# KiCad board Preamp_1.kicad_pcb
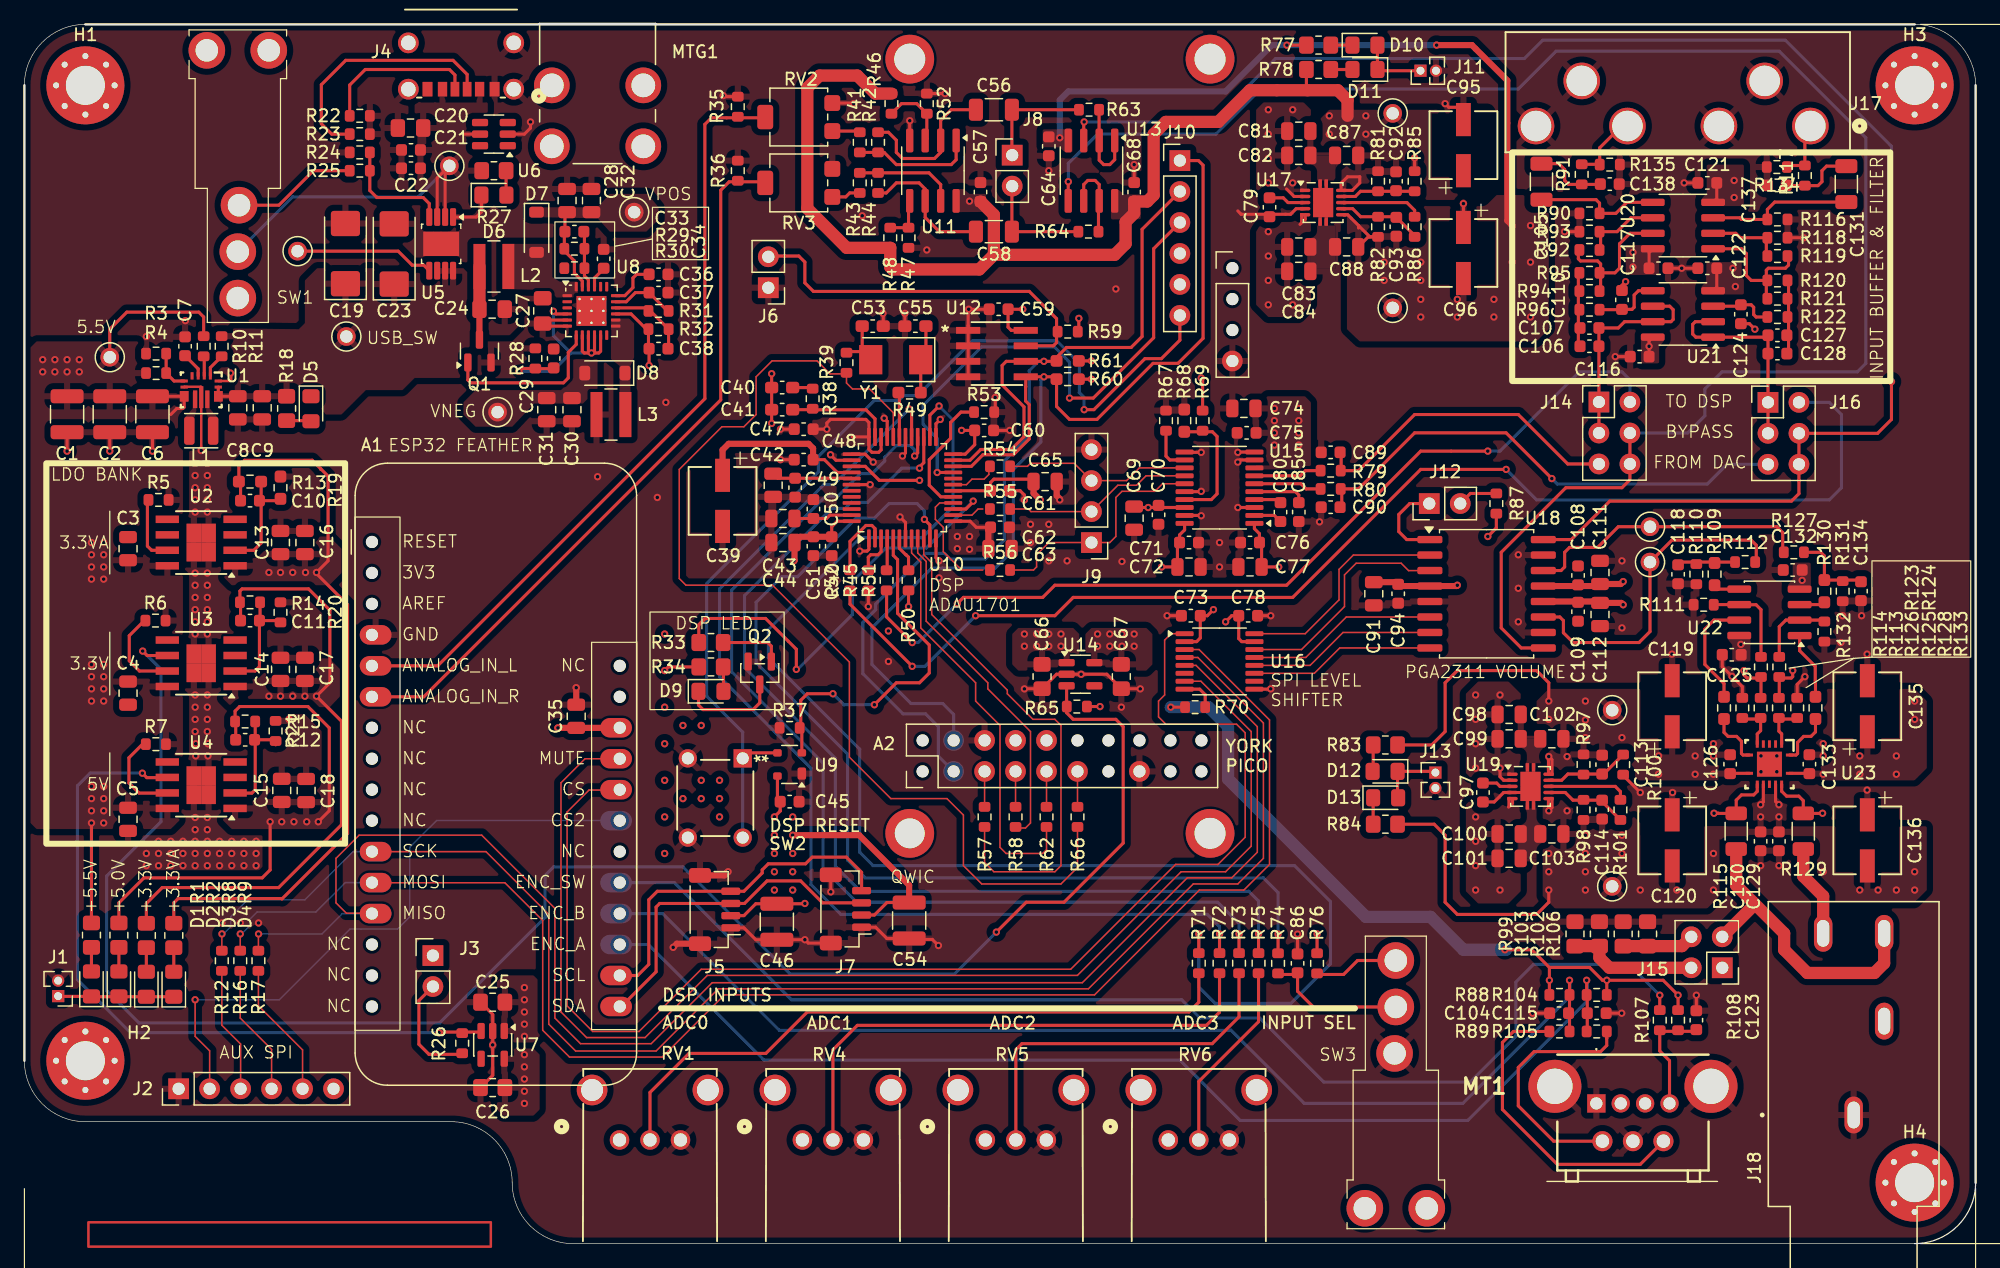
[diagram p0: board, top side]
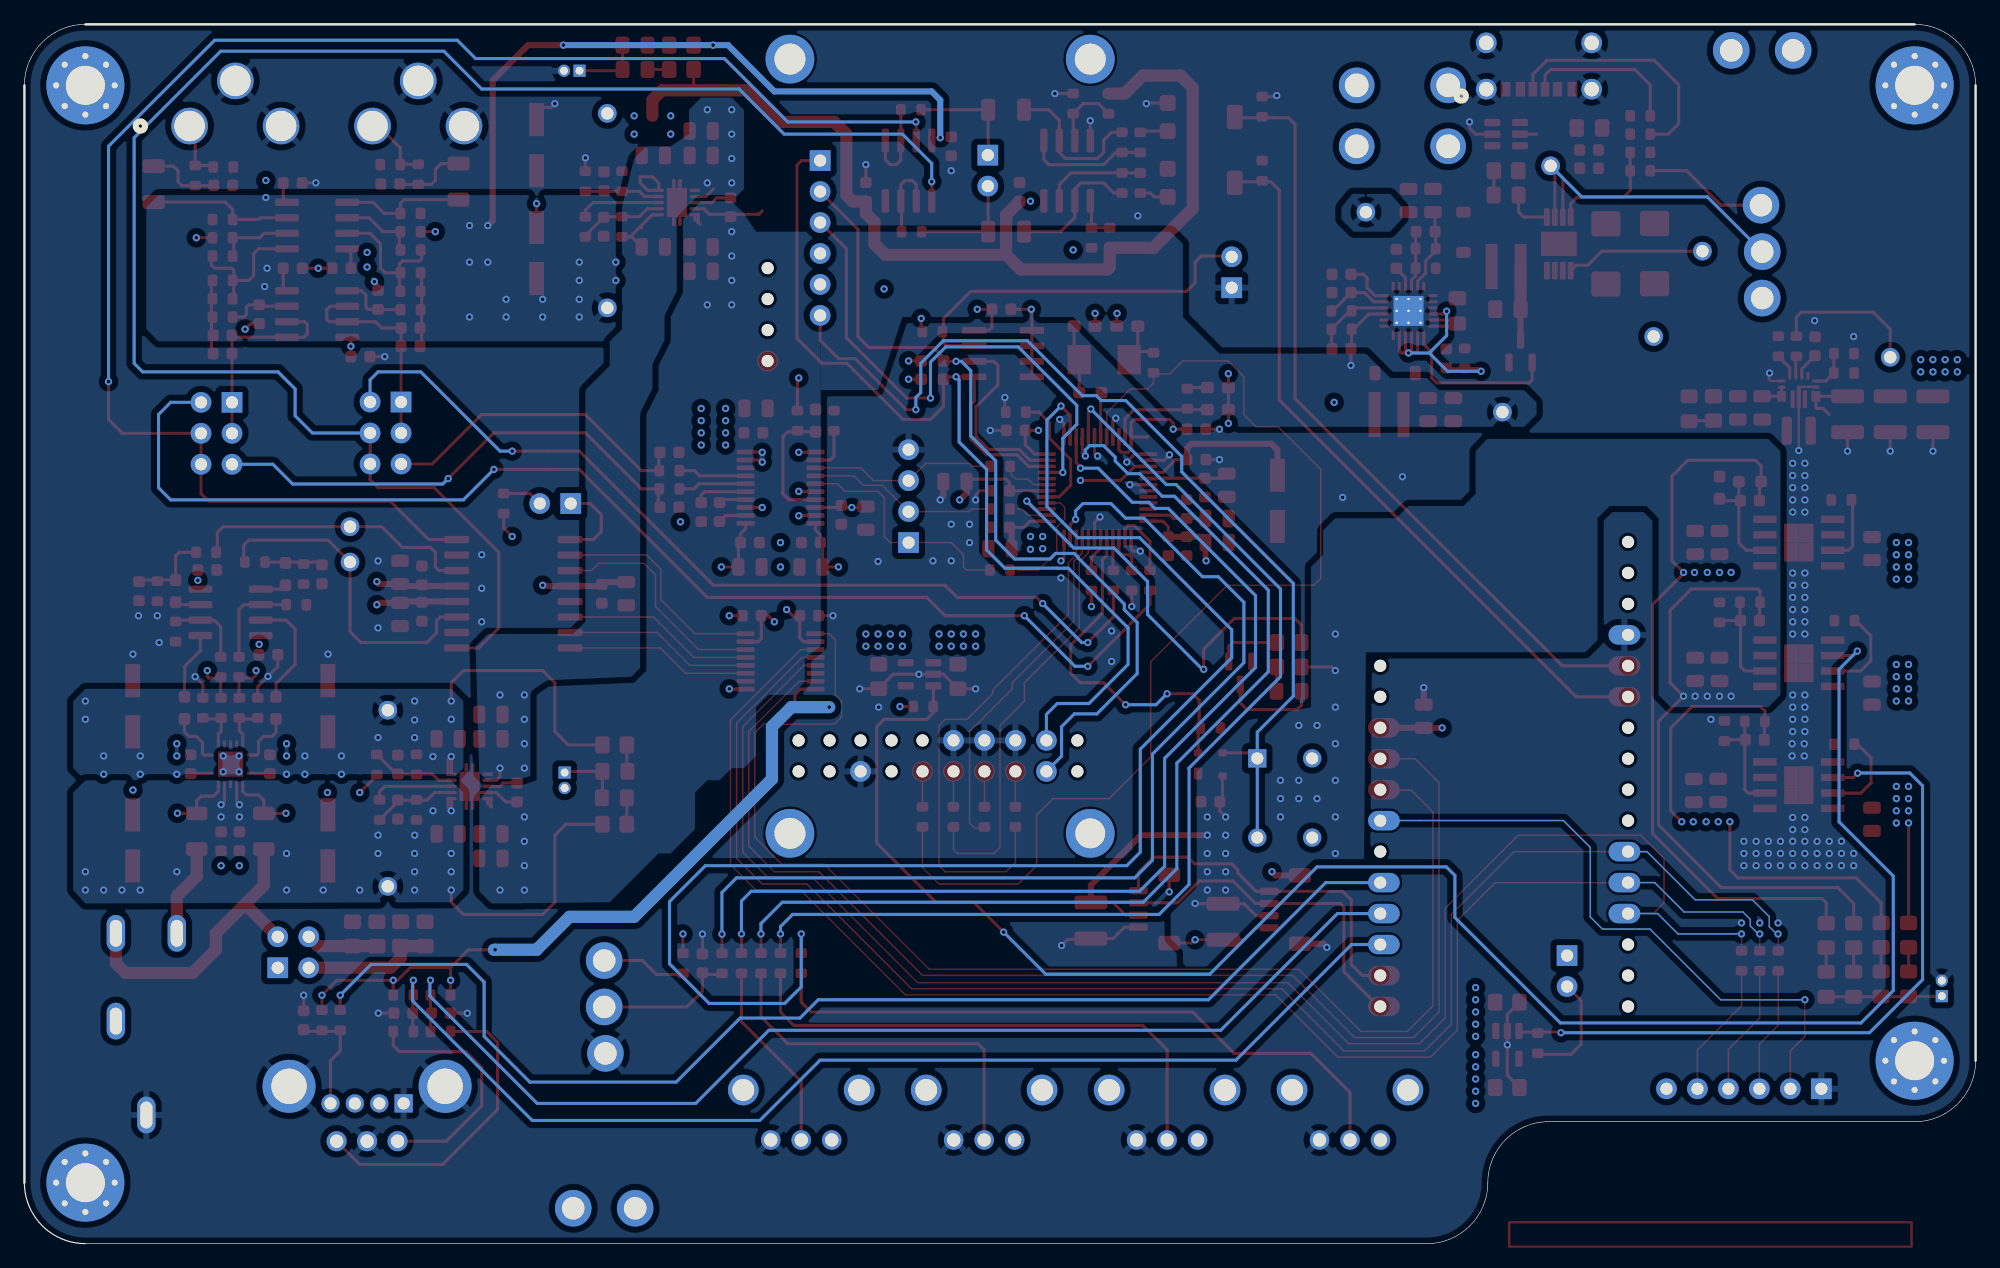
[diagram p1: board, bottom side, seen from below]

Outline 160 x 100 mm; copper layers: Top, In1.Cu, In2.Cu, Bottom. Coordinates in mm from the lower left corner of the outline.
Outline path: 0,95 0,15 arc(1.46,11.46) 5,10 35,10 arc(38.54,8.54) 40,5 arc(41.46,1.46) 45,0 155,0 arc(158.54,1.46) 160,5 160,95 arc(158.54,98.54) 155,100 5,100 arc(1.46,98.54) 0,95
Stack: Top 0.035mm / dielectric 0.1mm FR4 er 4.5 / In1.Cu 0.035mm / dielectric 1.24mm FR4 er 4.5 / In2.Cu 0.035mm / dielectric 0.1mm FR4 er 4.5 / Bottom 0.035mm

## Placement (name value [footprint] x y rotation side)
A1  Adafruit_Feather_Generic  [Adafruit_Feather2]  28.5 57.55 0 top  (not fitted)
A2  York_USB-to-I2S  [York_Pico_USB-to-I2S]  69.22 99.69 0 top  (not fitted)
C1  22u  [C_1210_3225Metric]  3.5 68.03 270 top
C2  22u  [C_1210_3225Metric]  7 68.03 270 top
C3  10u  [C_0805_2012Metric]  8.5 57 90 top
C4  10u  [C_0805_2012Metric]  8.5 45.15 270 top
C5  10u  [C_0805_2012Metric]  8.5 34.8 270 top
C6  22u  [C_1210_3225Metric]  10.5 68.03 270 top
C7  0.1u  [C_0603_1608Metric]  13.17 73.6 90 top
C8  10u  [C_0805_2012Metric]  17.5 68.55 270 top
C9  10u  [C_0805_2012Metric]  19.5 68.55 270 top
C10  10n  [C_0603_1608Metric]  18.5 60.94 0 top  (not fitted)
C11  10n  [C_0603_1608Metric]  18.5 51.1 0 top  (not fitted)
C12  10n  [C_0603_1608Metric]  18.1 41.33 0 top  (not fitted)
C13  10u  [C_0805_2012Metric]  21 57.5 90 top
C14  10u  [C_0805_2012Metric]  21 47.1 90 top
C15  10u  [C_0805_2012Metric]  21.1 37.17 90 top
C16  10u  [C_0805_2012Metric]  23 57.5 90 top
C17  10u  [C_0805_2012Metric]  23 47.1 90 top
C18  10u  [C_0805_2012Metric]  23.1 37.16 90 top
C19  68u  [CP_EIA-6032-28_Kemet-C]  26.33 81.2 90 top
C20  4.7u  [C_0805_2012Metric_Pad1.18x1.45mm_HandSolder]  31.66 91.5 180 top
C21  10n  [C_0603_1608Metric]  31.7 89.7 180 top
C22  0.1u  [C_0603_1608Metric]  31.7 88.2 180 top
C23  68u  [CP_EIA-6032-28_Kemet-C]  30.33 81.17 90 top
C24  4.7u  [C_0805_2012Metric_Pad1.18x1.45mm_HandSolder]  38.35 76.64 0 top
C25  1u  [C_0805_2012Metric_HandSolder]  38.4 19.8 0 top
C26  1u  [C_0805_2012Metric_HandSolder]  38.4 12.8 0 top
C27  4.7u  [C_0805_2012Metric_Pad1.18x1.45mm_HandSolder]  42.5 76.5 90 top
C28  10u  [C_0805_2012Metric]  44.5 85.55 90 top
C29  0.1u  [C_0603_1608Metric]  43.4 72.6 90 top
C30  10u  [C_0805_2012Metric]  44.9 68.4 270 top
C31  10u  [C_0805_2012Metric]  42.83 68.4 270 top
C32  10u  [C_0805_2012Metric]  46.5 85.55 90 top
C33  6.8p  [C_0603_1608Metric]  45.1 83 0 top
C34  10n  [C_0603_1608Metric]  47.5 80.78 90 top
C35  10u  [C_0805_2012Metric]  45.25 43.25 90 top
C36  4.7n  [C_0603_1608Metric]  52 79.5 0 top
C37  220n  [C_0603_1608Metric]  52 78 0 top
C38  7.5p  [C_0603_1608Metric]  52 73.4 180 top
C39  47u  [CAP_UCD_5X5P8_NCH]  57.25 60.92 270 top
C40  56n  [C_0603_1608Metric_Pad1.08x0.95mm_HandSolder]  62.14 70.21 0 top
C41  3.3n  [C_0603_1608Metric_Pad1.08x0.95mm_HandSolder]  62.14 68.4 0 top
C42  10u  [C_0805_2012Metric]  61.4 62.2 270 top
C43  10u  [C_0805_2012Metric]  62.2 59.47 180 top
C44  10u  [C_0805_2012Metric]  62.2 57.5 180 top
C45  0.1u  [C_0603_1608Metric]  62.75 36.25 0 top
C46  22u  [C_1210_3225Metric]  61.7 26.4 270 top
C47  0.1u  [C_0603_1608Metric]  63.9 66.8 180 top
C48  0.1u  [C_0603_1608Metric]  63.9 64.3 180 top
C49  0.1u  [C_0603_1608Metric]  63.2 62 270 top
C50  0.1u  [C_0603_1608Metric]  64.7 60.25 90 top
C51  0.1u  [C_0603_1608Metric]  64.7 57.2 270 top
C52  0.1u  [C_0603_1608Metric]  66.2 57.2 270 top
C53  24p  [C_0603_1608Metric_Pad1.08x0.95mm_HandSolder]  69.56 75.25 0 top  (not fitted)
C54  22u  [C_1210_3225Metric]  72.55 26.5 270 top
C55  24p  [C_0603_1608Metric_Pad1.08x0.95mm_HandSolder]  73.06 75.25 180 top  (not fitted)
C56  0.22u  [C_1206_3216Metric]  79.5 93 180 top
C57  0.1u  [C_0603_1608Metric]  78.4 86.25 90 top
C58  0.22u  [C_1206_3216Metric]  79.5 83 180 top
C59  0.1u  [C_0603_1608Metric]  79.89 76.63 180 top
C60  0.1u  [C_0603_1608Metric]  78.7 66.7 0 top
C61  0.1u  [C_0603_1608Metric]  80 61.75 0 top
C62  0.1u  [C_0603_1608Metric]  80 58.75 0 top
C63  10u  [C_0805_2012Metric]  80 57 0 top
C64  0.1u  [C_0603_1608Metric]  84 90 90 top
C65  10u  [C_0805_2012Metric]  83.7 62.5 0 top
C66  1u  [C_0805_2012Metric_HandSolder]  83.45 46.51 90 top
C67  1u  [C_0805_2012Metric_HandSolder]  89.95 46.51 90 top
C68  0.1u  [C_0603_1608Metric]  91 86.25 90 top
C69  10u  [C_0805_2012Metric]  91 59.5 270 top
C70  0.1u  [C_0603_1608Metric]  93 59.78 270 top
C71  0.1u  [C_0603_1608Metric]  95.5 57.5 0 top
C72  10u  [C_0805_2012Metric]  95.5 55.5 0 top
C73  0.1u  [C_0603_1608Metric]  95.65 51.5 180 top
C74  10u  [C_0805_2012Metric]  100 68.5 180 top
C75  0.1u  [C_0603_1608Metric]  100.22 66.5 180 top
C76  0.1u  [C_0603_1608Metric]  100.5 57.5 180 top
C77  10u  [C_0805_2012Metric]  100.5 55.5 180 top
C78  0.1u  [C_0603_1608Metric]  100.35 51.5 0 top
C79  10n  [C_0603_1608Metric]  102.1 85 270 top
C80  2.2u  [C_0603_1608Metric]  103 60 90 top
C81  10u  [C_0805_2012Metric]  104.5 91.25 0 top
C82  10u  [C_0805_2012Metric]  104.5 89.25 0 top
C83  10u  [C_0805_2012Metric]  104.5 81.75 180 top
C84  10u  [C_0805_2012Metric]  104.5 79.75 180 top
C85  2.2u  [C_0603_1608Metric]  104.5 60 270 top
C86  0.1u  [C_0603_1608Metric]  104.4 22.99 90 top
C87  10u  [C_0805_2012Metric]  108.43 89.25 180 top
C88  10u  [C_0805_2012Metric]  108.43 81.75 0 top
C89  2.2n  [C_0603_1608Metric]  107.11 64.9 180 top
C90  2.2n  [C_0603_1608Metric]  107.11 60.4 180 top
C91  10u  [C_0805_2012Metric]  110.65 53.3 270 top
C92  10n  [C_0603_1608Metric]  112.47 87.13 270 top
C93  10n  [C_0603_1608Metric]  112.5 83.4 270 top
C94  0.1u  [C_0603_1608Metric]  112.65 53.3 270 top
C95  47u  [CAP_UCD_5X5P8_NCH]  118 90.1 90 top
C96  47u  [CAP_UCD_5X5P8_NCH]  118 81.25 270 top
C97  10n  [C_0603_1608Metric]  119.6 37 270 top
C98  10u  [C_0805_2012Metric]  121.75 43.4 0 top
C99  10u  [C_0805_2012Metric]  121.75 41.4 0 top
C100  10u  [C_0805_2012Metric]  121.75 33.6 180 top
C101  10u  [C_0805_2012Metric]  121.75 31.6 180 top
C102  10u  [C_0805_2012Metric]  125.25 41.4 180 top
C103  10u  [C_0805_2012Metric]  125.25 33.6 0 top
C104  0.1u  [C_0603_1608Metric]  125.84 18.9 180 top
C105  0.22u  [C_1206_3216Metric]  124.4 87.1 270 top
C106  1.2n  [C_0603_1608Metric]  128.34 73.6 0 top
C107  1.2n  [C_0603_1608Metric]  128.34 75.1 0 top
C108  0.1u  [C_0603_1608Metric]  127.4 54.81 270 top
C109  0.1u  [C_0603_1608Metric]  127.4 51.83 270 top
C110  1.2n  [C_0603_1608Metric]  131 77.4 90 top
C111  10u  [C_0805_2012Metric]  129.2 55.05 270 top
C112  10u  [C_0805_2012Metric]  129.2 51.6 270 top
C113  10n  [C_0603_1608Metric]  129.38 39.29 270 top
C114  10n  [C_0603_1608Metric]  129.38 35.59 270 top
C115  0.1u  [C_0603_1608Metric]  128.93 18.9 0 top
C116  0.1u  [C_0603_1608Metric]  132.45 72.75 180 top
C117  0.1u  [C_0603_1608Metric]  134 80 0 top
C118  100p  [C_0603_1608Metric]  135.6 54.9 270 top
C119  47u  [CAP_UCD_5X5P8_NCH]  135.12 44.07 90 top
C120  47u  [CAP_UCD_5X5P8_NCH]  135.12 33.07 270 top
C121  0.1u  [C_0603_1608Metric]  138 87 0 top
C122  0.1u  [C_0603_1608Metric]  138 80 0 top
C123  0.1u  [C_0603_1608Metric]  137.1 18.33 90 top
C124  1.2n  [C_0603_1608Metric]  140.75 76.22 270 top
C125  0.1u  [C_0603_1608Metric]  140 48.3 180 top
C126  0.1u  [C_0603_1608Metric]  139.87 39.32 90 top
C127  1.2n  [C_0603_1608Metric]  143.75 74.5 180 top
C128  1.2n  [C_0603_1608Metric]  143.75 73 180 top
C129  0.1u  [C_0603_1608Metric]  143.87 33 90 top
C130  0.1u  [C_0603_1608Metric]  142.37 33 90 top
C131  0.22u  [C_1206_3216Metric]  149.4 86.9 270 top
C132  0.1u  [C_0603_1608Metric]  145 55.25 0 top
C133  0.1u  [C_0603_1608Metric]  146.37 39.32 90 top
C134  100p  [C_0603_1608Metric]  150.6 53.51 270 top
C135  47u  [CAP_UCD_5X5P8_NCH]  151.12 44.07 90 top
C136  47u  [CAP_UCD_5X5P8_NCH]  151.12 33.07 270 top
C137  100p  [C_0603_1608Metric]  143.7 86.8 180 top
C138  100p  [C_0603_1608Metric]  130 86.9 0 top
D1  LED  [LED_0805_2012Metric_Pad1.15x1.40mm_HandSolder]  5.5 21.3 90 top
D2  LED  [LED_0805_2012Metric_Pad1.15x1.40mm_HandSolder]  7.75 21.3 90 top
D3  LED  [LED_0805_2012Metric_Pad1.15x1.40mm_HandSolder]  10 21.28 90 top
D4  LED  [LED_0805_2012Metric_Pad1.15x1.40mm_HandSolder]  12.25 21.28 90 top
D5  LED  [LED_0805_2012Metric_Pad1.15x1.40mm_HandSolder]  23.5 68.47 270 top
D6  LED  [LED_0805_2012Metric_Pad1.15x1.40mm_HandSolder]  38.5 86 0 top
D7  ~  [D_SOD-123]  42 82.95 270 top
D8  ~  [D_SOD-123]  47.6 71.4 180 top
D9  LED  [LED_0805_2012Metric_Pad1.15x1.40mm_HandSolder]  56.3 45.3 0 top
D10  LED  [LED_0805_2012Metric_Pad1.15x1.40mm_HandSolder]  109.93 98.3 0 top
D11  LED  [LED_0805_2012Metric_Pad1.15x1.40mm_HandSolder]  109.93 96.3 180 top
D12  LED  [LED_0805_2012Metric_Pad1.15x1.40mm_HandSolder]  111.58 38.73 180 top
D13  LED  [LED_0805_2012Metric_Pad1.15x1.40mm_HandSolder]  111.62 36.57 0 top
H1  MountingHole  [MountingHole_3.2mm_M3_Pad_Via]  5 95 0 top
H2  MountingHole  [MountingHole_3.2mm_M3_Pad_Via]  5 15 0 top
H3  MountingHole  [MountingHole_3.2mm_M3_Pad_Via]  155 95 0 top
H4  MountingHole  [MountingHole_3.2mm_M3_Pad_Via]  155 5 0 top
J1  Conn_02x01  [PinHeader_1x02_P1.27mm_Vertical#2]  2.77 20.3 180 top
J2  Conn_01x06  [PinHeader_1x06_P2.54mm_Vertical]  12.65 12.7 90 top  (not fitted)
J3  Conn_02x01  [PinHeader_1x02_P2.54mm_Vertical#2]  33.5 23.62 0 top
J4  USB4125-GF-A-0190  [CONN6_125-GF-A-0190_GCT]  38.56 94.69 180 top
J5  QWIC  [JST_SH_BM04B-SRSS-TB_1x04-1MP_P1.00mm_Vertical]  56.6 27.4 90 top
J6  Conn_02x01  [PinHeader_1x02_P2.54mm_Vertical]  61 78.4 180 top
J7  QWIC  [JST_SH_BM04B-SRSS-TB_1x04-1MP_P1.00mm_Vertical]  67.33 27.45 90 top
J8  Conn_02x01  [PinHeader_1x02_P2.54mm_Vertical]  81 89.28 0 top  (not fitted)
J9  Conn_01x04  [PinHeader_1x04_P2.54mm_Vertical]  87.5 57.5 180 top  (not fitted)
J10  Conn_01x06  [PinHeader_1x06_P2.54mm_Vertical]  94.75 88.83 0 top  (not fitted)
J11  Conn_02x01  [PinHeader_1x02_P1.27mm_Vertical]  114.48 96.2 90 top
J12  Conn_02x01  [PinHeader_1x02_P2.54mm_Vertical]  115.2 60.7 90 top
J13  Conn_02x01  [PinHeader_1x02_P1.27mm_Vertical#2]  115.7 38.64 0 top
J14  Conn_02x03_Odd_Even  [PinHeader_2x03_P2.54mm_Vertical]  129.11 69.03 0 top
J15  Conn_02x02_Odd_Even  [PinHeader_2x02_P2.54mm_Vertical]  139.22 22.62 180 top
J16  Conn_02x03_Odd_Even  [PinHeader_2x03_P2.54mm_Vertical]  142.97 69 0 top
J17  PJRAN2X1U01AUX  [CONN6_984x394_SWC_BS]  146.45 91.66 180 top
J18  SJ-63063B  [CUI_SJ-63063B]  150 10.55 90 top
L1  1u  [L_Wuerth_MAPI-2512]  14.5 66.67 180 top
L2  4.7u  [L_Wuerth_MAPI-4020]  38.5 80.14 0 top
L3  4.7u  [L_Wuerth_MAPI-4020]  48.1 68 180 top
MT1  PEL12D-2225S-S1024  [PEL12D2225SS1024]  131.84 12.9 0 top
MTG1  7695  [KEYSTONE_7695]  47 92.5 180 top
Q1  Si2371EDS  [SOT-23]  37.31 73.2 90 top
Q2  MMBT2222A  [SOT-23]  60.3 46.8 270 top
R1  270  [R_0805_2012Metric_HandSolder]  5.5 25.3 270 top
R2  270  [R_0805_2012Metric_HandSolder]  7.75 25.3 270 top
R3  51k  [R_0603_1608Metric]  10.8 73 180 top
R4  300k  [R_0603_1608Metric]  10.8 71.4 0 top
R5  10k  [R_0603_1608Metric]  11 61 0 top
R6  10k  [R_0603_1608Metric]  10.75 51.1 0 top
R7  10k  [R_0603_1608Metric]  10.78 40.97 0 top
R8  100  [R_0805_2012Metric_HandSolder]  10 25.28 270 top
R9  100  [R_0805_2012Metric_HandSolder]  12.25 25.28 270 top
R10  10k  [R_0603_1608Metric]  14.7 73.6 270 top
R11  10k  [R_0603_1608Metric]  16.18 73.6 270 top
R12  0  [R_0603_1608Metric]  16.19 23.2 90 top
R13  1M  [R_0603_1608Metric_Pad0.98x0.95mm_HandSolder]  18.5 62.5 180 top
R14  1M  [R_0603_1608Metric]  18.5 52.6 180 top
R15  1M  [R_0603_1608Metric]  18.1 42.83 180 top
R16  0  [R_0603_1608Metric]  17.7 23.2 90 top
R17  0  [R_0603_1608Metric]  19.19 23.2 90 top
R18  270  [R_0805_2012Metric_HandSolder]  21.5 68.5 270 top
R19  245k  [R_0603_1608Metric_Pad0.98x0.95mm_HandSolder]  21 62 270 top
R20  245k  [R_0603_1608Metric]  21 51.78 270 top
R21  150k  [R_0603_1608Metric]  20.6 42.05 270 top
R22  5.1K  [R_0603_1608Metric]  27.5 92.5 0 top
R23  5.1K  [R_0603_1608Metric]  27.5 91 0 top
R24  10k  [R_0603_1608Metric]  27.5 89.5 180 top
R25  10k  [R_0603_1608Metric]  27.5 88 0 top
R26  10k  [R_0603_1608Metric]  35.9 16.44 270 top
R27  270  [R_0805_2012Metric_HandSolder]  38.5 88 0 top
R28  100  [R_0603_1608Metric]  41.9 72.6 270 top
R29  1M  [R_0603_1608Metric]  45.1 81.6 180 top
R30  110k  [R_0603_1608Metric]  45.1 80 0 top
R31  100k  [R_0603_1608Metric]  52 76.5 0 top
R32  1M  [R_0603_1608Metric]  52 75 0 top
R33  2.2k  [R_0805_2012Metric_Pad1.20x1.40mm_HandSolder]  56.3 49.3 0 top
R34  100  [R_0805_2012Metric_HandSolder]  56.3 47.3 0 top
R35  100k  [R_0603_1608Metric]  58.5 93.25 270 top
R36  100k  [R_0603_1608Metric]  58.5 88 270 top
R37  100k  [R_0603_1608Metric]  62.75 42.3 0 top
R38  470  [R_0603_1608Metric]  64.64 69.3 270 top
R39  0  [R_0603_1608Metric]  67.41 72.25 270 top  (not fitted)
R40  18k  [R_0603_1608Metric]  67.7 54.4 90 top
R41  820  [R_0603_1608Metric]  68.5 90.33 270 top
R42  56k  [R_0603_1608Metric]  70 90.33 90 top
R43  820  [R_0603_1608Metric]  68.5 87 90 top
R44  56k  [R_0603_1608Metric]  70 87 270 top
R45  18k  [R_0603_1608Metric]  69.2 54.4 90 top
R46  10k  [R_0603_1608Metric]  71.1 93.5 90 top
R47  10k  [R_0603_1608Metric]  72.5 82.5 90 top
R48  10k  [R_0603_1608Metric]  71 82.5 270 top
R49  100  [R_0603_1608Metric_Pad0.98x0.95mm_HandSolder]  72.59 69.8 180 top  (not fitted)
R50  0  [R_0603_1608Metric]  72.5 54.4 90 top
R51  18k  [R_0603_1608Metric]  70.7 54.4 90 top
R52  10k  [R_0603_1608Metric]  74 93.5 270 top
R53  0  [R_0603_1608Metric]  78.7 68.2 0 top
R54  0  [R_0603_1608Metric]  80 63.75 0 top
R55  0  [R_0603_1608Metric]  80 60.25 0 top
R56  0  [R_0603_1608Metric]  80 55.25 0 top
R57  0  [R_0603_1608Metric]  78.73 35 270 top
R58  0  [R_0603_1608Metric]  81.28 35 270 top
R59  10k  [R_0603_1608Metric]  85.55 74.8 180 top
R60  2.2k  [R_0603_1608Metric_Pad0.98x0.95mm_HandSolder]  85.55 70.9 180 top  (not fitted)
R61  2.2k  [R_0603_1608Metric_Pad0.98x0.95mm_HandSolder]  85.55 72.4 180 top  (not fitted)
R62  0  [R_0603_1608Metric]  83.81 35 270 top
R63  10k  [R_0603_1608Metric]  87.3 93 0 top
R64  10k  [R_0603_1608Metric]  87.25 83 0 top
R65  10k  [R_0603_1608Metric]  86.3 44.05 0 top
R66  0  [R_0603_1608Metric]  86.36 35 270 top
R67  0  [R_0603_1608Metric]  93.61 67.5 270 top
R68  3.3k  [R_0603_1608Metric_Pad0.98x0.95mm_HandSolder]  95.11 67.5 270 top
R69  6.8k  [R_0603_1608Metric]  96.61 67.5 90 top
R70  3.3k  [R_0603_1608Metric]  96 44 180 top
R71  0  [R_0603_1608Metric]  96.3 23 90 top
R72  0  [R_0603_1608Metric]  98 23 90 top
R73  0  [R_0603_1608Metric]  99.6 23 90 top
R74  0  [R_0603_1608Metric]  102.8 22.99 90 top
R75  0  [R_0603_1608Metric]  101.2 23 90 top
R76  10k  [R_0603_1608Metric]  106 22.99 90 top
R77  270  [R_0805_2012Metric_HandSolder]  106.12 98.3 180 top
R78  270  [R_0805_2012Metric_HandSolder]  106.12 96.3 0 top
R79  470  [R_0603_1608Metric]  107.11 63.4 0 top
R80  470  [R_0603_1608Metric]  107.11 61.9 0 top
R81  32.4K  [R_0603_1608Metric]  111 87.13 90 top
R82  42.2k  [R_0603_1608Metric]  111 83.4 90 top
R83  820  [R_0805_2012Metric_HandSolder]  111.6 40.9 180 top
R84  820  [R_0805_2012Metric_HandSolder]  111.6 34.4 0 top
R85  10k  [R_0603_1608Metric]  114 87.13 270 top
R86  10k  [R_0603_1608Metric]  114 83.4 90 top
R87  10k  [R_0603_1608Metric]  120.7 60.7 270 top
R88  10k  [R_0603_1608Metric]  125.88 20.4 0 top
R89  10k  [R_0603_1608Metric]  125.88 17.4 0 top
R90  100k  [R_0603_1608Metric]  128.34 84.5 0 top
R91  1k  [R_0603_1608Metric]  127.7 87.7 90 top
R92  10k  [R_0603_1608Metric]  128.34 81.5 0 top
R93  10k  [R_0603_1608Metric]  128.34 83 0 top
R94  1.8k  [R_0603_1608Metric]  128.34 78.12 0 top
R95  1.8k  [R_0603_1608Metric]  128.34 79.62 0 top
R96  1.8k  [R_0603_1608Metric]  128.34 76.6 180 top
R97  75k  [R_0603_1608Metric]  127.85 39.3 90 top
R98  84.5k  [R_0603_1608Metric]  127.85 35.58 90 top
R99  820  [R_0805_2012Metric_HandSolder]  127.15 25.4 90 top
R100  10k  [R_0603_1608Metric]  131.1 39.29 90 top
R101  10k  [R_0603_1608Metric]  130.88 35.58 90 top
R102  820  [R_0805_2012Metric_HandSolder]  131.1 25.4 90 top
R103  820  [R_0805_2012Metric_HandSolder]  129.15 25.4 90 top
R104  10k  [R_0603_1608Metric]  128.93 20.4 180 top
R105  10k  [R_0603_1608Metric]  128.93 17.4 180 top
R106  820  [R_0805_2012Metric_HandSolder]  133.1 25.4 90 top
R107  0  [R_0603_1608Metric]  134.1 18.33 90 top
R108  10k  [R_0603_1608Metric]  135.6 18.33 270 top
R109  100  [R_0603_1608Metric_Pad0.98x0.95mm_HandSolder]  138.59 54.91 270 top
R110  1k  [R_0603_1608Metric]  137.1 54.91 270 top
R111  1k  [R_0603_1608Metric]  137.7 52.4 0 top
R112  1k  [R_0603_1608Metric]  141.1 55.9 180 top
R113  1k  [R_0603_1608Metric]  140.87 43.94 90 top
R114  100  [R_0603_1608Metric_Pad0.98x0.95mm_HandSolder]  139.37 43.94 270 top
R115  10  [R_1206_3216Metric]  140.37 33.82 90 top
R116  100k  [R_0603_1608Metric]  143.75 84 180 top
R117  1k  [R_0603_1608Metric]  146 87.6 90 top
R118  27k  [R_0603_1608Metric]  143.75 82.5 180 top
R119  10k  [R_0603_1608Metric]  143.75 81 180 top
R120  1.8k  [R_0603_1608Metric]  143.75 79 180 top
R121  1.8k  [R_0603_1608Metric]  143.75 77.5 180 top
R122  1.8k  [R_0603_1608Metric]  143.75 76 0 top
R123  2k  [R_0603_1608Metric]  142.4 47.3 270 top
R124  2k  [R_0603_1608Metric]  143.9 47.3 270 top
R125  1k  [R_0603_1608Metric]  143.87 43.94 90 top
R126  1k  [R_0603_1608Metric]  142.37 43.94 90 top
R127  1k  [R_0603_1608Metric]  145.09 56.7 0 top
R128  1k  [R_0603_1608Metric]  145.37 43.94 90 top
R129  10  [R_1206_3216Metric]  145.87 33.82 90 top
R130  100  [R_0603_1608Metric_Pad0.98x0.95mm_HandSolder]  147.6 53.51 270 top
R131  1k  [R_0603_1608Metric]  149.1 53.51 270 top
R132  1k  [R_0603_1608Metric]  147.6 50.2 90 top
R133  100  [R_0603_1608Metric_Pad0.98x0.95mm_HandSolder]  146.87 43.94 270 top
R134  100k  [R_0603_1608Metric]  143.7 88.3 0 top
R135  100k  [R_0603_1608Metric]  130 88.5 180 top
RV1  -  [RK09L1120036]  48.8 6.8 0 top
RV2  10k  [Potentiometer_Bourns_3314G_Vertical]  63.5 92.4 270 top
RV3  10k  [Potentiometer_Bourns_3314G_Vertical]  63.5 87 270 top
RV4  -  [RK09L1120036]  63.8 6.8 0 top
RV5  -  [RK09L1120036]  78.8 6.8 0 top
RV6  -  [RK09L1120036]  93.8 6.8 0 top
SW1  SPDT_Switch  [100AWSP1T2B4M7RE]  17.5 77.55 180 top
SW2  SPST_MOM_SW  [SW4_1825910-B_TEC]  54.4 33.3 270 top
SW3  SPDT_Switch  [100AWSP1T2B4M7RE]  112.46 23.22 0 top
TP1  5020  [KEYSTONE_5020]  7 72.7 0 top
TP2  5020  [KEYSTONE_5020]  22.4 81.4 0 top
TP3  5020  [KEYSTONE_5020]  26.4 74.4 0 top
TP4  5020  [KEYSTONE_5020]  34.85 88.4 0 top
TP5  5020  [KEYSTONE_5020]  38.8 68.2 0 top
TP6  5020  [KEYSTONE_5020]  50 84.6 0 top
TP7  5020  [KEYSTONE_5020]  112.2 92.7 0 top
TP8  5020  [KEYSTONE_5020]  112.2 76.75 0 top
TP9  5020  [KEYSTONE_5020]  130.2 43.75 0 top
TP10  5020  [KEYSTONE_5020]  130.2 29.3 0 top
TP11  5020  [KEYSTONE_5020]  133.3 58.8 0 top
TP12  5020  [KEYSTONE_5020]  133.3 55.9 0 top
U1  TPS630701RNMR  [RNM0015A]  14.5 70.03 270 top
U2  TPS7B8601B  [TI_SO-PowerPAD-8]  14.5 57.5 180 top
U3  TPS7B8601B  [TI_SO-PowerPAD-8]  14.5 47.6 180 top
U4  TPS7B8601B  [TI_SO-PowerPAD-8]  14.5 37.6 180 top
U5  TPS2000E  [Texas_DGN0008G_VSSOP-8-1EP_3x3mm_P0.65mm_EP2x2.94mm_Mask1.846x2.15mm]  34.17 82 270 top
U6  USBLC6-2SC6  [SOT-23-6]  38.5 91 180 top
U7  TPS7A0530PDBV  [SOT-23-5]  38.4 16.3 270 top
U8  TPS65131RGE  [VQFN-24-1EP_4x4mm_P0.5mm_EP2.45x2.45mm_ThermalVias]  46.5 76.5 0 top
U9  ADM811  [SOT-143]  62.75 39.3 180 top
U10  ADAU1701  [LQFP-48_7x7mm_P0.5mm]  72 62 90 top
U11  OPA1678  [SOIC-8_3.9x4.9mm_P1.27mm]  74.5 88 270 top
U12  24AA256-I/SN  [SOIC8-N_MC_MCH]  79.75 73 0 top
U13  OPA1678  [SOIC-8_3.9x4.9mm_P1.27mm]  87.5 88 270 top
U14  TPS7A0518PDBV  [SOT-23-5]  86.6 46.7 0 top
U15  PCM5102A  [TSSOP-20_4.4x6.5mm_P0.65mm]  98 62 180 top
U16  TXB0106PW  [TSSOP-16_4.4x5mm_P0.65mm]  98 47.75 0 top
U17  TPS7A39  [Texas_S-PVSON-N10]  106.5 85.38 0 top
U18  PGA2310UA  [SOIC-16W_7.5x10.3mm_P1.27mm]  119.9 53.3 0 top
U19  TPS7A39  [Texas_S-PVSON-N10]  123.5 37.5 0 top
U20  OPA1678  [SOIC-8_3.9x4.9mm_P1.27mm]  136 83.5 180 top
U21  OPA1678  [SOIC-8_3.9x4.9mm_P1.27mm]  136 76.25 180 top
U22  OPA2156xD  [SOIC-8_3.9x4.9mm_P1.27mm]  143.09 51.78 180 top
U23  TPA6120A  [RGY0014A]  143.09 39.32 270 top
Y1  12.288M  [Crystal_SMD_Abracon_ABM3-2Pin_5.0x3.2mm]  71.45 72.5 180 top  (not fitted)
